# Altium PCB BOARD.PcbDoc
Units mm, origin at the board's own origin, x right, y up, seen from the top; angles counter-clockwise.
Board outline 22 x 50 mm, 2 copper layers (Top Layer, Bottom Layer), stack 0.46 mm thick; 90 components, 71 nets, 347 pads, 217 vias.
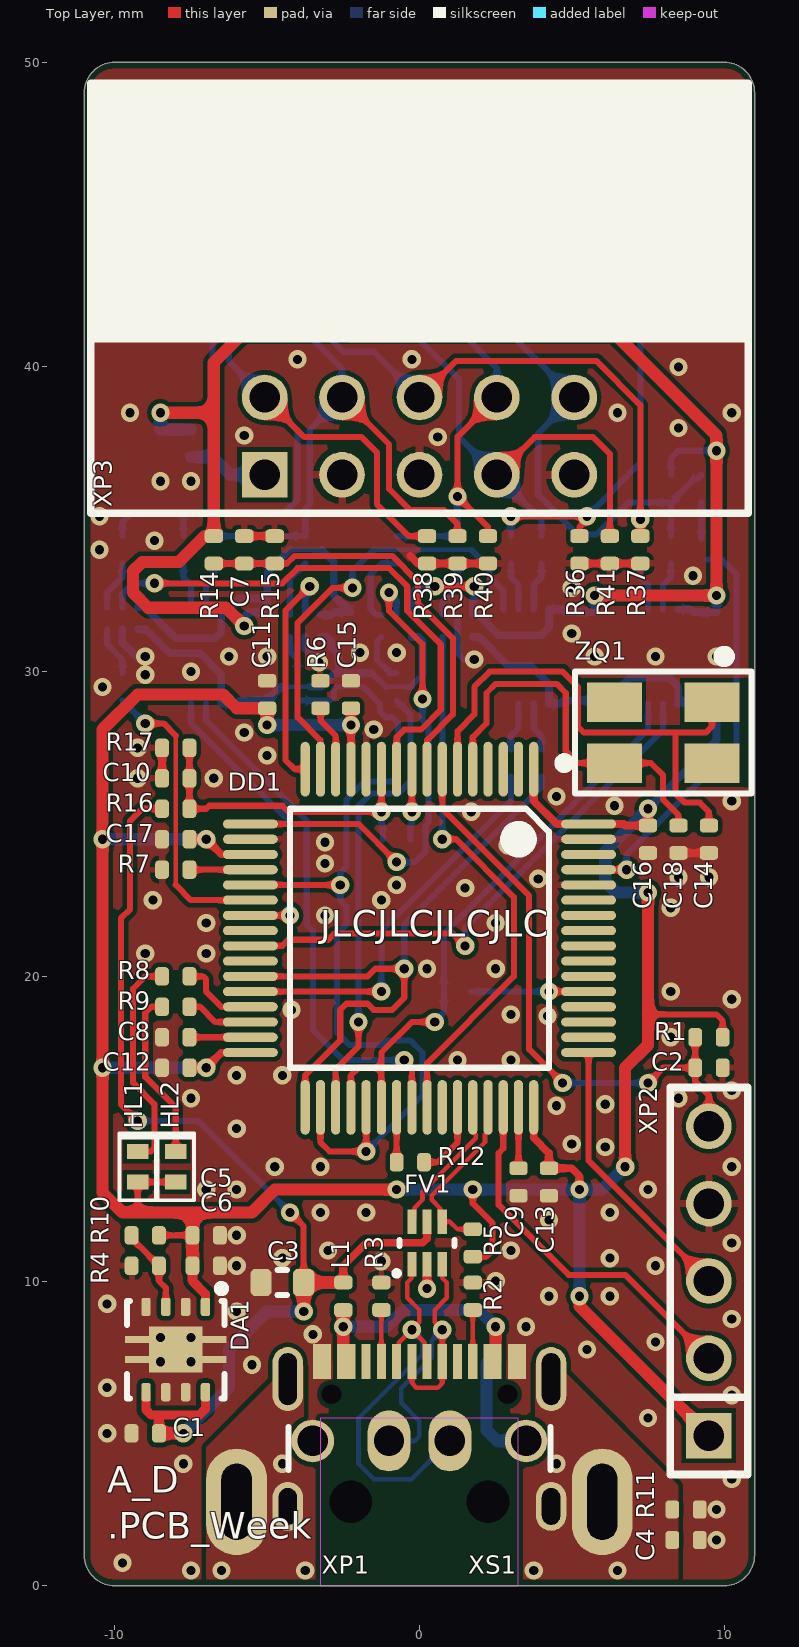
[diagram p0: Top Layer view]
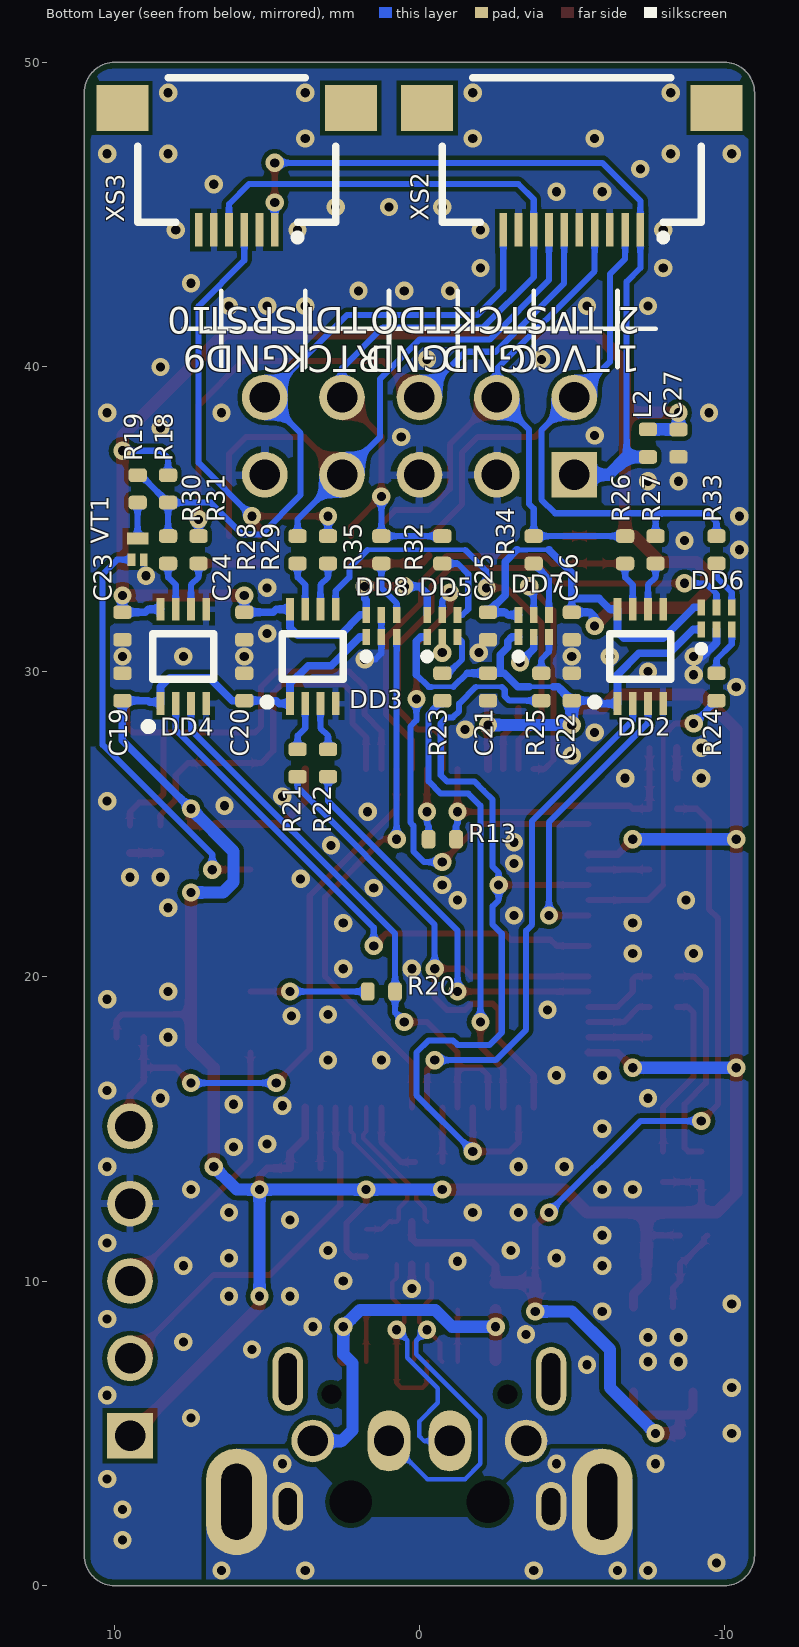
[diagram p1: Bottom Layer view, seen from below]
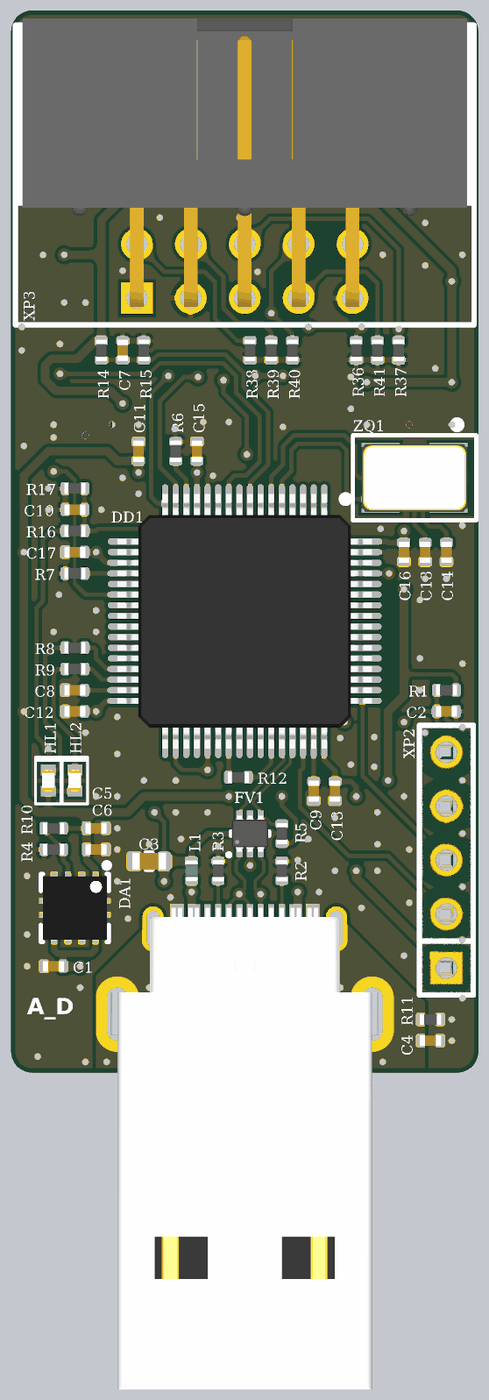
[diagram p2: 3D render of the assembled board from above, using the file's embedded part models]
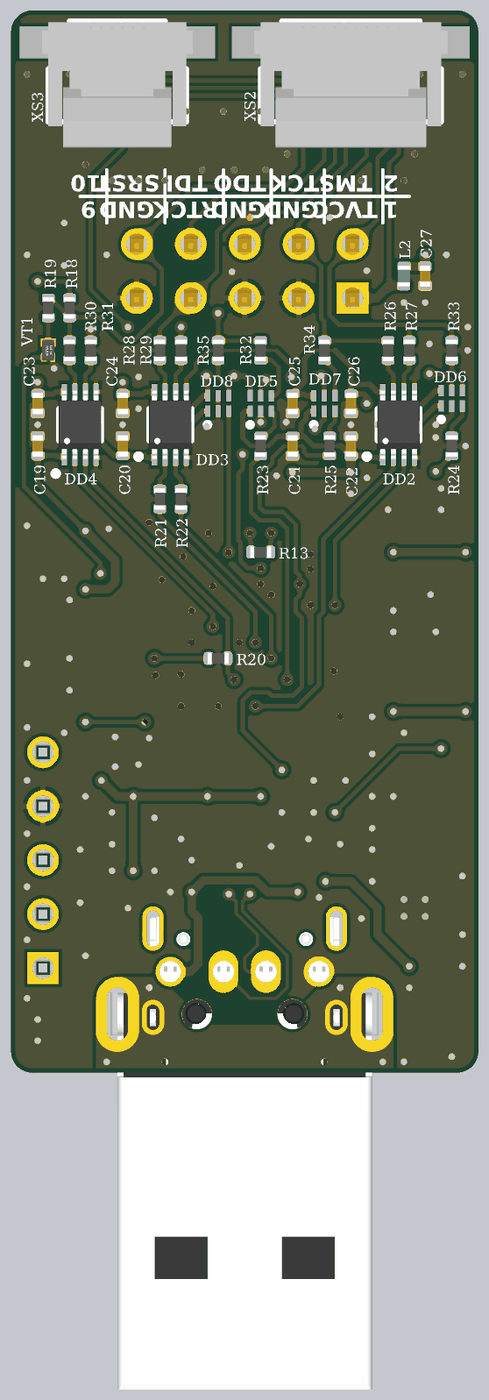
[diagram p3: 3D render of the assembled board from below, using the file's embedded part models]

## Layer stack, top to bottom
Top Solder: solder mask 0.01, Solder Resist, Dk 3.5
Top Layer: signal copper 0.03
Dielectric1: core 0.4, FR-4, Dk 4.2
Bottom Layer: signal copper 0.03
Bottom Solder: solder mask 0.01, Solder Resist, Dk 3.5

## Board outline
-11,1 ccw(c-10,1) -10,0 10,0 ccw(c10,1) 11,1 11,49 ccw(c10,49) 10,50 -10,50 ccw(c-10,49) -11,49

## Design rules (kind name [scope] priority, off if disabled: settings)
BoardOutlineClearance [All] p1: gap=0.2 ignorepadtopadclearanceinfootprint=FALSE
Clearance [All] p1: gap=0.15 ignorepadtopadclearanceinfootprint=FALSE
ComponentClearance [All] p1 off: gap=0.25 collisioncheckmode=3 verticalgap=0.25 showdistances=FALSE
DiffPairsRouting [All] p1: maxlimit=0.4 minlimit=0.15 mostfreqgap=0.2 toplayer_minwidth=0.15 toplayer_maxwidth=0.15 toplayer_prefwidth=0.15 bottomlayer_minwidth=0.15 bottomlayer_maxwidth=0.15 bottomlayer_prefwidth=0.15 maxuncoupledlength=12
Height [All] p1: minheight=0 maxheight=25 prefheight=25
HoleSize [All] p1: absolutevalues=TRUE maxlimit=6 minlimit=0.3 maxpercent=80.000 minpercent=20.000
HoleToHoleClearance [All] p1: gap=0.25 allowstackedmicrovias=TRUE
MinimumSolderMaskSliver [All] p1 off: minsoldermaskwidth=0.254
PlaneClearance [All] p1: clearance=0.5
PlaneConnect [All] p1: planeconnectstyle=Relief reliefexpansion=0.5 reliefentries=4 reliefconductorwidth=0.25 reliefairgap=0.25
PolygonConnect PolygonConnect_DirectConnect [InComponentClass('DirectConnect')] p1: connectstyle=Direct reliefconductorwidth=0.254 reliefentries=4 polygonreliefangle="90 Angle" airgapwidth=0.254
PolygonConnect [All] p2: thpad.connectstyle=Relief thpad.reliefconductorwidth=0.25 thpad.reliefentries=4 thpad.polygonreliefangle="90 Angle" thpad.airgapwidth=0.2 smdpad.connectstyle=Relief smdpad.reliefconductorwidth=0.2 smdpad.reliefentries=4 smdpad.polygonreliefangle="90 Angle" smdpad.airgapwidth=0.15 via.connectstyle=Direct via.reliefconductorwidth=0.254 via.reliefentries=4 via.polygonreliefangle="90 Angle" via.airgapwidth=0.254
RoutingCorners [All] p1: cornerstyle=45-Degree minsetback=1.5 maxsetback=3.5
RoutingVias [All] p1: holewidth=0.6 width=1.2 viastyle="Through Hole" minholewidth=0.3 minwidth=0.6 maxholewidth=1 maxwidth=2
SMDEntry [All] p1: side=TRUE corner=TRUE anyangle=TRUE
SilkToSilkClearance [All] p1 off: silktosilkclearance=0.254
SilkToSolderMaskClearance [IsPad] p1 off: minsilkscreentomaskgap=0.254 clearancetoexposedcopper=TRUE
SolderMaskExpansion [All] p1: expansion=0.025
Width [All] p1: maxlimit=8 minlimit=0.15 preferedwidth=0.6
Width Width_TrackEnds [All] p2 off: maxlimit=0.25 minlimit=0.25 preferedwidth=0.25 checkconnectedcopper=TRUE
19 further rules are at their usual default settings.

## Classes and differential pairs
differential pair class USB: USB
component class DirectConnect: C1 C3 C4 C5 C6 C8 C9 C11 C12 C13 C14 C15 C16 C17 C18 C19 C20 C21 C22 C23 C24 C25 C26 C27 DA1 FV1 L1 L2 R11 XP1 XS1
differential pair class USBD: USBD
differential pair USB: +USB_P -USB_N
differential pair USBD: +USBD_P -USBD_N

## Components (designator, comment, footprint, x,y, rotation, side; value= is the part's Value field where it differs from the comment)
C1 "Capacitor" C0402_L -9,5 r0 top value=1uF
C2 "" C0402_L 9.5,17 r0 top value=0.1uF
C3 "Capacitor" C0603_L -4.5,9.952 r0 top value=10uF
C4 "" C0402_L 8.75,1.5 r180 top value=0.1uF
C5 "Capacitor" C0402_L -7,11.5 r180 top value=4.7uF
C6 "Capacitor" C0402_L -7,10.5 r180 top value=4.7uF
C7 "Capacitor" C0402_L -5.75,34 r90 top value=0.01uF
C8 "Capacitor" C0402_L -8,18 r0 top value=2.2uF
C9 "Capacitor" C0402_L 3.25,13.25 r90 top value=2.2uF
C10 "Capacitor" C0402_L -8,26.5 r180 top value=0.01uF
C11 "Capacitor" C0402_L -5,29.25 r270 top value=4.7uF
C12 "" C0402_L -8,17 r180 top value=0.1uF
C13 "" C0402_L 4.25,13.25 r270 top value=0.1uF
C14 "Capacitor" C0402_L 9.5,24.5 r90 top value=12pF
C15 "" C0402_L -2.25,29.25 r90 top value=0.1uF
C16 "" C0402_L 7.5,24.5 r270 top value=0.1uF
C17 "" C0402_L -8,24.5 r180 top value=0.1uF
C18 "Capacitor" C0402_L 8.5,24.5 r90 top value=12pF
C19 "" C0402_L 9.75,29.5 r90 bottom value=0.1uF
C20 "" C0402_L 5.75,29.5 r90 bottom value=0.1uF
C21 "" C0402_L -2.25,29.5 r270 bottom value=0.1uF
C22 "" C0402_L -5,29.5 r90 bottom value=0.1uF
C23 "" C0402_L 9.75,31.5 r270 bottom value=0.1uF
C24 "" C0402_L 5.75,31.5 r270 bottom value=0.1uF
C25 "" C0402_L -2.25,31.5 r270 bottom value=0.1uF
C26 "" C0402_L -5,31.5 r270 bottom value=0.1uF
C27 "Capacitor" C0402_L -8.5,37.5 r90 bottom value=2.2uF
DA1 "TPS73701DRB" VSON-8_065P300X300X100_N -8,7.75 r180 top value=TPS73701DRBR
DD1 "STM32F205RxTx-Series" LQFP-64_050P1000X1000X160_N 0,21.25 r270 top locked value=STM32F205RET6
DD2 "SN74LVC2T45DCx-Series" VSSOP-8_050P200X230X090_N -7.25,30.5 r180 bottom value=SN74LVC2T45DCUR
DD3 "SN74LVC2T45DCx-Series" VSSOP-8_050P200X230X090_N 3.5,30.5 r180 bottom value=SN74LVC2T45DCUR
DD4 "SN74LVC2T45DCx-Series" VSSOP-8_050P200X230X090_N 7.75,30.5 r180 bottom value=SN74LVC2T45DCUR
DD5 "74LVC1T45x-Series" X2-DFN-6_050P140X100X040_N -0.75,31.5 r180 bottom value=74LVC1T45FZ4-7
DD6 "74LVC1T45x-Series" X2-DFN-6_050P140X100X040_N -9.75,31.75 r180 bottom value=74LVC1T45FZ4-7
DD7 "74LVC1T45x-Series" X2-DFN-6_050P140X100X040_N -3.75,31.5 r180 bottom value=74LVC1T45FZ4-7
DD8 "74LVC1T45x-Series" X2-DFN-6_050P140X100X040_N 1.25,31.5 r180 bottom value=74LVC1T45FZ4-7
FV1 "USBLC6-2x6" SOT-666_050P160X120X060_N 0.25,11.25 r0 top value=USBLC6-2P6
HL1 "Text" LD0402 -9.25,13.75 r90 top value=KPHHS-1005QBC-D-V
HL2 "Text" LD0402 -8,13.75 r90 top value=KPHHS-1005QBC-D-V
L1 "FerriteBead" L0402_L -2.5,9.5 r90 top value=BLM15PD121SN1D
L2 "FerriteBead" L0402_L -7.5,37.5 r270 bottom value=BLM15PD121SN1D
R1 "Resistor" R0402_L 9.5,18 r0 top value=10k
R2 "Resistor" R0402_L 1.75,9.5 r270 top value=5.1k
R3 "Resistor" R0402_L -1.25,9.5 r270 top value=5.1k
R4 "Resistor" R0402_L -9,10.5 r0 top value=12k
R5 "Resistor" R0402_L 1.75,11.25 r90 top value=1.6k
R6 "Resistor" R0402_L -3.25,29.25 r270 top value=0
R7 "Resistor" R0402_L -8,23.5 r0 top value=0
R8 "Resistor" R0402_L -8,20 r0 top value=1k
R9 "Resistor" R0402_L -8,19 r0 top value=1k
R10 "Resistor" R0402_L -9,11.5 r0 top value=22.1k
R11 "" R0402_L 8.75,2.5 r0 top value=100k
R12 "Resistor" R0402_L -0.3,13.9 r180 top value=0
R13 "Resistor" R0402_L -0.75,24.5 r0 bottom value=0
R14 "Resistor" R0402_L -6.75,34 r90 top value=10k
R15 "Resistor" R0402_L -4.75,34 r270 top value=10k
R16 "Resistor" R0402_L -8,25.5 r180 top value=10k
R17 "Resistor" R0402_L -8,27.5 r0 top value=10k
R18 "Resistor" R0402_L 8.25,36 r270 bottom value=4.7k
R19 "Resistor" R0402_L 9.25,36 r90 bottom value=51
R20 "Resistor" R0402_L 1.25,19.5 r180 bottom value=0
R21 "Resistor" R0402_L 4,27 r90 bottom value=430
R22 "Resistor" R0402_L 3,27 r90 bottom value=430
R23 "Resistor" R0402_L -0.75,29.5 r90 bottom value=430
R24 "Resistor" R0402_L -9.75,29.5 r90 bottom value=430
R25 "Resistor" R0402_L -4,29.5 r90 bottom value=430
R26 "Resistor" R0402_L -6.75,34 r90 bottom value=430
R27 "Resistor" R0402_L -7.75,34 r90 bottom value=430
R28 "Resistor" R0402_L 4,34 r90 bottom value=100
R29 "Resistor" R0402_L 3,34 r90 bottom value=100
R30 "Resistor" R0402_L 8.25,34 r90 bottom value=430
R31 "Resistor" R0402_L 7.25,34 r90 bottom value=430
R32 "Resistor" R0402_L -0.75,34 r90 bottom value=100
R33 "Resistor" R0402_L -9.75,34 r90 bottom value=100
R34 "Resistor" R0402_L -3.75,34 r90 bottom value=100
R35 "Resistor" R0402_L 1.25,34 r90 bottom value=430
R36 "Resistor" R0402_L 5.25,34 r90 top value=200k
R37 "Resistor" R0402_L 7.25,34 r90 top value=200k
R38 "Resistor" R0402_L 0.25,34 r90 top value=200k
R39 "Resistor" R0402_L 1.25,34 r90 top value=200k
R40 "Resistor" R0402_L 2.25,34 r90 top value=200k
R41 "Resistor" R0402_L 6.25,34 r90 top value=200k
VT1 "MOSFET-N" SOT-883B_035P060X100X040_N 9.25,34 r180 bottom value=NX3008NBKMB
XP1 "Text" DS1097 0,3 r0 top locked value=DS1097-B
XP2 "SWD" PLS-5 9.5,10 r90 top value=PLS-5
XP3 "JTAG" IDC-10MR 0,42.31 r0 top locked value=IDC-10MR
XS1 "Text" U262-161N-4BVC11 0,0 r0 top locked value=U262-161N-4BVC11
XS2 "JTAG-FFC" XF2M-1015-1A -5,46.75 r180 bottom locked value=XF2M-1015-1A
XS3 "SWO" XF2M-0615-1A 6,46.75 r180 bottom locked value=XF2M-0615-1A
ZQ1 "Crystal" "SMD 5x3.2mm" 8,28 r180 top value=AB-12.000MALE-T

## Footprints (in the part's own frame and the unit in brackets; to place one, negate y for a bottom-side part, rotate by r counter-clockwise, add the part's x,y. Pads: shape width x height; smd on the part's side, far side on the other; paste and mask are expansions set on the pad)
C0402_L [mm] "Chip Capacitor; Body 1.0 x 0.5 mm (LxW typ)"
  rrect50% 0.45x0.6 smd: 1(-0.45,0) 2(0.45,0)
  body extent -0.5,-0.25 0.5,0.25, height 0.61
C0603_L [mm] "Chip Capacitor; Body 1.6 x 0.8 mm (LxW typ)"
  rrect50% 0.7x0.9 smd: 1(-0.7,0) 2(0.7,0)
  silkscreen extent -0.15,-0.41 0.15,0.41, body extent -0.8,-0.4 0.8,0.4, height 0.91
DS1097 [mm]
  round 0 hole 1.4: 0(-2.25,-0.25) 0(2.25,-0.25)
  round 1.4 hole 1: 1(3.5,1.75) 4(-3.5,1.75)
  oval 1.4x2 hole 1: 2(1,1.75) 3(-1,1.75)
  oval 2x3.5 hole 1 slot 2.5 at 90 deg: SH(-6,-0.25) SH(6,-0.25)
  body extent -6.3,-17.93 6.3,2, height 3.3
IDC-10MR [mm]
  rect 1.5x1.5 hole 1: 1(-5.08,-5.85)
  round 1.5 hole 1: 2(-5.08,-3.31) 3(-2.54,-5.85) 4(-2.54,-3.31) 5(0,-5.85) 6(0,-3.31) 7(2.54,-5.85) 8(2.54,-3.31) 9(5.08,-5.85) 10(5.08,-3.31)
  silkscreen extent -10.79,-7.11 10.79,7, body extent -10.47,-6.25 10.47,7.31, height 8.98
L0402_L [mm] "Chip Coil; Body 1.0 x 0.5 mm (LxW typ)"
  rrect50% 0.45x0.6 smd: 1(-0.452,0) 2(0.452,0)
  body extent -0.5,-0.3 0.5,0.3, height 0.5
LD0402 [mm] "1005M"
  rect 0.5x0.7 smd: 1(-0.5,0) 2(0.5,0)
  silkscreen extent -1.1,-0.6 1.1,0.6, body extent -0.5,-0.3 0.5,0.3, height 0.2
LQFP-64_050P1000X1000X160_N [mm] "Thin QFP, 64-Leads, Body 10x10mm, Pitch 0.5mm, IPC Medium Density"
  oval 1.8x0.3 smd: 1(-5.55,3.75) 2(-5.55,3.25) 3(-5.55,2.75) 4(-5.55,2.25) 5(-5.55,1.75) 6(-5.55,1.25) 7(-5.55,0.75) 8(-5.55,0.25) 9(-5.55,-0.25) 10(-5.55,-0.75) 11(-5.55,-1.25) 12(-5.55,-1.75) 13(-5.55,-2.25) 14(-5.55,-2.75) 15(-5.55,-3.25) 16(-5.55,-3.75) 33(5.55,-3.75) 34(5.55,-3.25) 35(5.55,-2.75) 36(5.55,-2.25) 37(5.55,-1.75) 38(5.55,-1.25) 39(5.55,-0.75) 40(5.55,-0.25) 41(5.55,0.25) 42(5.55,0.75) 43(5.55,1.25) 44(5.55,1.75) 45(5.55,2.25) 46(5.55,2.75) 47(5.55,3.25) 48(5.55,3.75)
  oval 0.3x1.8 smd: 17(-3.75,-5.55) 18(-3.25,-5.55) 19(-2.75,-5.55) 20(-2.25,-5.55) 21(-1.75,-5.55) 22(-1.25,-5.55) 23(-0.75,-5.55) 24(-0.25,-5.55) 25(0.25,-5.55) 26(0.75,-5.55) 27(1.25,-5.55) 28(1.75,-5.55) 29(2.25,-5.55) 30(2.75,-5.55) 31(3.25,-5.55) 32(3.75,-5.55) 49(3.75,5.55) 50(3.25,5.55) 51(2.75,5.55) 52(2.25,5.55) 53(1.75,5.55) 54(1.25,5.55) 55(0.75,5.55) 56(0.25,5.55) 57(-0.25,5.55) 58(-0.75,5.55) 59(-1.25,5.55) 60(-1.75,5.55) 61(-2.25,5.55) 62(-2.75,5.55) 63(-3.25,5.55) 64(-3.75,5.55)
  silkscreen extent -5.87,-4.25 4.25,4.88, body extent -6,-6 6,6, height 1.6
PLS-5 [mm]
  rect 1.5x1.5 hole 1: 1(-5.08,0)
  round 1.5 hole 1: 2(-2.54,0) 3(0,0) 4(2.54,0) 5(5.08,0)
  silkscreen extent -6.35,-1.27 6.35,1.27, body extent -6.35,-1.27 6.35,1.27, height 8.9
R0402_L [mm] "Chip Resistor; Body 1.0 x 0.5 mm (LxW typ)"
  rrect50% 0.45x0.6 smd: 1(-0.45,0) 2(0.45,0)
  body extent -0.5,-0.26 0.5,0.26, height 0.36
"SMD 5x3.2mm" [mm]
  rect 1.8x1.3 smd: 1(-1.6,-1) 2(1.6,-1) 3(1.6,1) 4(-1.6,1)
  silkscreen extent -2.9,-2.6 2.9,2, body extent -2.5,-1.6 2.5,1.6, height 1.01
SOT-666_050P160X120X060_N [mm]
  rect 0.3x0.8 smd: 1(-0.5,-0.7) 2(0,-0.7) 3(0.5,-0.7) 4(0.5,0.7) 5(0,0.7) 6(-0.5,0.7)
  silkscreen extent -1.08,-1.08 0.9,0.1, body extent -0.85,-0.85 0.85,0.85, height 0.62
SOT-883B_035P060X100X040_N [mm]
  rect 0.25x0.4 smd paste-10: 1(-0.2,-0.325) 3(0.2,-0.325)
  rect 0.7x0.4 smd paste-0.05: 2(0,0.375)
  body extent -0.29,-0.49 0.29,0.49, height 0.48
U262-161N-4BVC11 [mm]
  round 0 hole 0.65 unplated: 0(-2.89,6.28) 0(2.89,6.28)
  rect 0.3x1.15 smd: A1(-3.35,7.355) A4(-2.55,7.355) A5(-1.25,7.355) A6(-0.25,7.355) A7(0.25,7.355) A8(-1.75,7.355) A9(2.55,7.355) A12(3.35,7.355) B1(3.05,7.355) B4(2.25,7.355) B5(1.75,7.355) B6(0.75,7.355) B7(-0.75,7.355) B8(1.25,7.355) B9(-2.25,7.355) B12(-3.05,7.355)
  oval 1x1.6 hole 0.6 slot 1.2 at 90 deg: SH(-4.32,2.6) SH(4.32,2.6)
  oval 1x2.1 hole 0.6 slot 1.7 at 90 deg: SH(-4.32,6.78) SH(4.32,6.78)
  Top Layer keep-out region: -3.25,0 3.25,0 3.25,5.5 -3.25,5.5
  silkscreen extent -4.3,3.8 4.3,5.2, body extent -4.48,0 4.48,7.75, height 3.26
VSON-8_065P300X300X100_N [mm]
  rrect50% 0.31x0.6 smd paste-0.025: 1(-0.975,-1.4) 2(-0.325,-1.4) 3(0.325,-1.4) 4(0.975,-1.4) 5(0.975,1.4) 6(0.325,1.4) 7(-0.325,1.4) 8(-0.975,1.4)
  rect 0.825x0.23 smd: TP(-1.25,-0.325) TP(-1.25,0.325) TP(1.25,-0.325) TP(1.25,0.325)
  rect 1.75x1.5 smd: TP(0,0)
  silkscreen extent -1.63,-2.12 1.6,1.6, body extent -1.52,-1.52 1.52,1.52, height 1.04
VSSOP-8_050P200X230X090_N [mm] "TSSOP, 8-Leads, Body 2,00x2,30mm, Pitch 0,50mm, IPC Medium Density"
  rect 0.25x0.75 smd: 1(-0.75,-1.55) 2(-0.25,-1.55) 3(0.25,-1.55) 4(0.75,-1.55) 5(0.75,1.55) 6(0.25,1.55) 7(-0.25,1.55) 8(-0.75,1.55)
  silkscreen extent -1.63,-1.62 1,0.75, body extent -1,-1.6 1,1.6, height 0.9
X2-DFN-6_050P140X100X040_N [mm]
  rect 0.25x0.525 smd: 1(-0.5,-0.363) 2(0,-0.363) 3(0.5,-0.363) 4(0.5,0.363) 5(0,0.363) 6(-0.5,0.363)
  silkscreen extent -0.6,-1.1 -0.4,-0.9, body extent -0.7,-0.5 0.7,0.5, height 0.4
XF2M-0615-1A [mm]
  rect 0.25x1.1 smd mask+0.025: 1(1.25,-2.25) 2(0.75,-2.25) 3(0.25,-2.25) 4(-0.25,-2.25) 5(-0.75,-2.25) 6(-1.25,-2.25)
  rect 1.7x1.5 smd mask+0.025: SH(-3.75,1.75) SH(3.75,1.75)
  silkscreen extent -3.25,-2.6 3.25,2.75, body extent -3.55,-3.2 3.55,2.7, height 2
XF2M-1015-1A [mm]
  rect 0.25x1.1 smd mask+0.025: 1(2.25,-2.25) 2(1.75,-2.25) 3(1.25,-2.25) 4(0.75,-2.25) 5(0.25,-2.25) 6(-0.25,-2.25) 7(-0.75,-2.25) 8(-1.25,-2.25) 9(-1.75,-2.25) 10(-2.25,-2.25)
  rect 1.7x1.5 smd mask+0.025: SH(-4.75,1.75) SH(4.75,1.75)
  silkscreen extent -4.25,-2.6 4.25,2.75, body extent -4.55,-3.2 4.55,2.7, height 2
